# Altium PCB ALCT_MEZ_SPARTAN6T.PcbDoc (part 7 of 12) (continued)
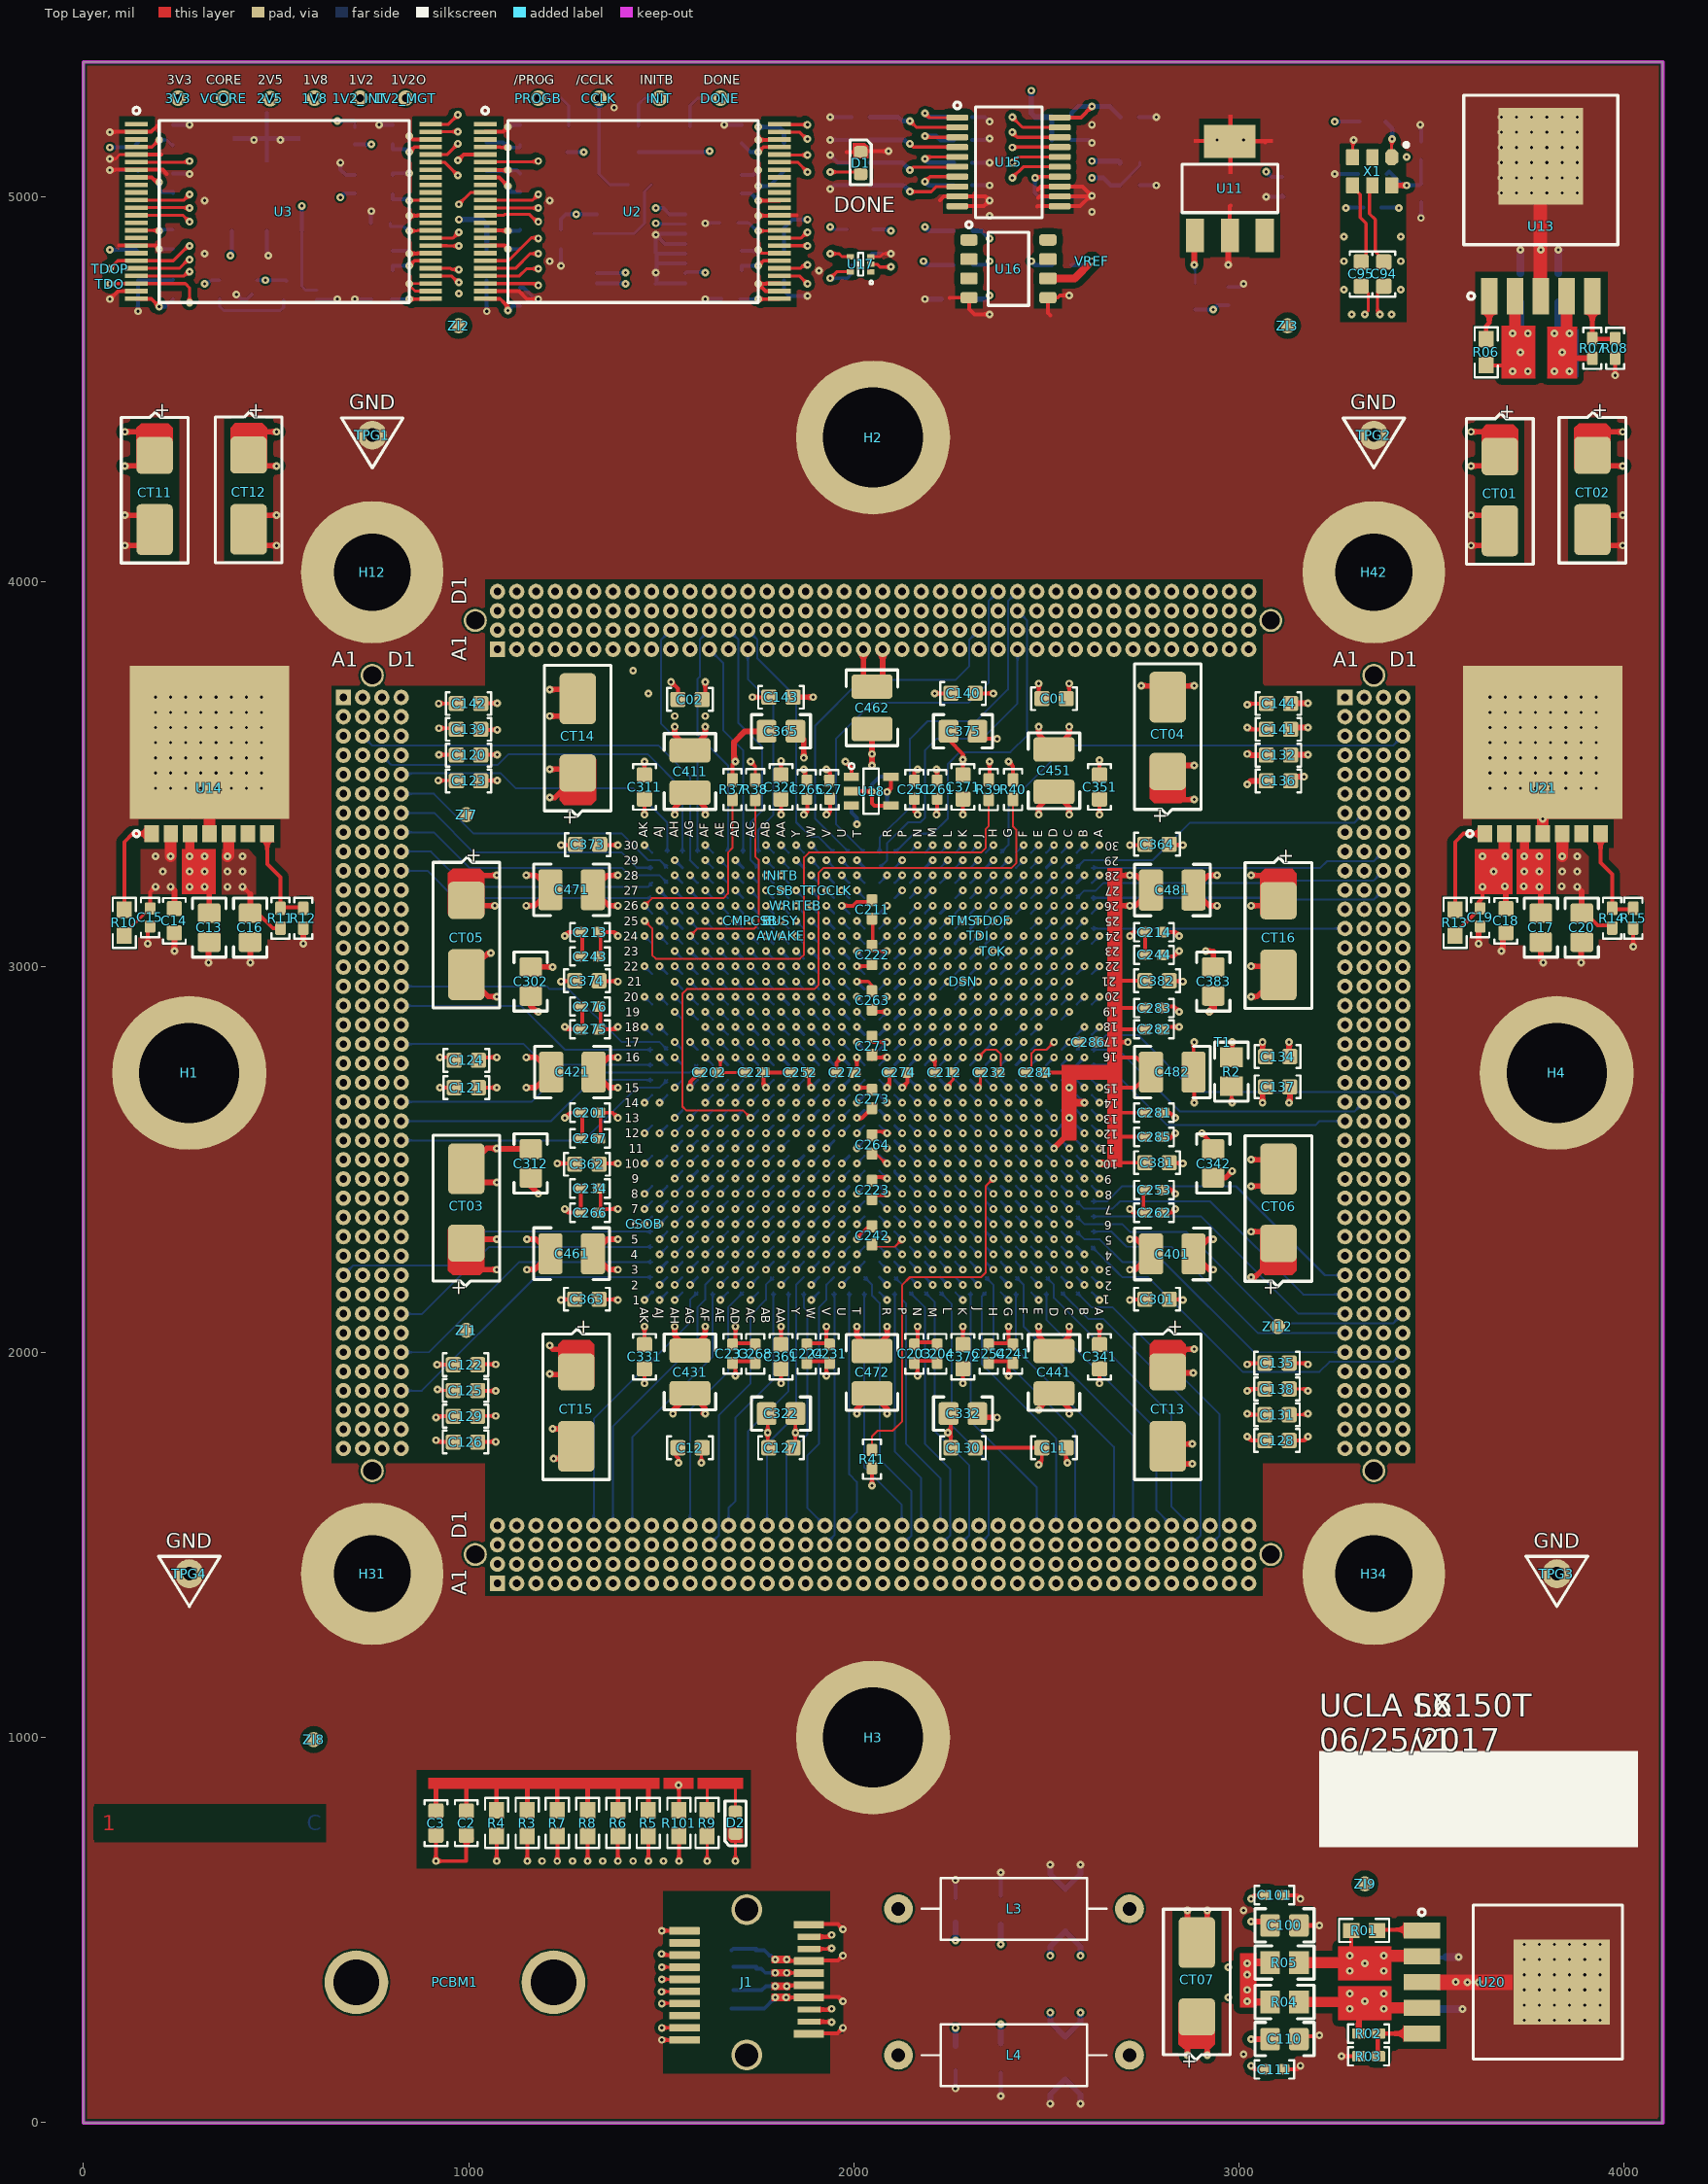
[diagram p0: Top Layer view]
## Nets (pads, with @x,y where several pads share a name; then routed paths per layer and width w, separated by ;. In a path a pad name is that pad's centre, name@x,y a point inside that pad or via, vN(x,y) a via of type N, cw(c..) or ccw(c..) an arc to the next point about the centre after c; other vN are vias at no path point) (continued)
XP2A_15: U1.T24 XP2.A15 | length 1043.6
  Mid-Layer 4 w5: XP2.A15@1775,3825 1775,3786.02 1997.85,3563.18 1997.85,3388.61 1988.19,3378.96 1988.19,3100.74 1988.01,3100.56 v1(2007.88,3080.7) ; 1775,3792.4 ccw(c1742.41,3792.4) 1765.45,3815.45 cw(c1742.41,3792.41) 1775,3792.41 ; 1775,3792.4 cw(c1807.59,3792.4) 1784.55,3815.45 ccw(c1807.59,3792.41) 1775,3792.41 ; 1775,3804.48 ccw(c1754.48,3804.48) 1768.99,3818.99 cw(c1754.48,3804.48) 1775,3804.48 ; 1775,3804.48 cw(c1795.52,3804.48) 1781.01,3818.99 ccw(c1795.52,3804.48) 1775,3804.48
  Bottom Layer w6: v1(2007.88,3080.7) U1.T24@2027.56,3061.01
XP2A_16: U1.AB28 XP2.A16 | length 803.6
  Mid-Layer 1 w5: v1(1771.67,3238.19) 1791.52,3258.04 1791.52,3651.57 1825,3685.05 XP2.A16@1825,3825 ; 1825,3792.4 ccw(c1792.41,3792.4) 1815.45,3815.45 cw(c1792.41,3792.41) 1825,3792.41 ; 1825,3792.4 cw(c1857.59,3792.4) 1834.55,3815.45 ccw(c1857.59,3792.41) 1825,3792.41 ; 1825,3804.48 ccw(c1804.48,3804.48) 1818.99,3818.99 cw(c1804.48,3804.48) 1825,3804.48 ; 1825,3804.48 cw(c1845.52,3804.48) 1831.01,3818.99 ccw(c1845.52,3804.48) 1825,3804.48
  Bottom Layer w6: v1(1771.67,3238.19) U1.AB28@1791.34,3218.5
XP2A_17: U1.L18 XP2.A17 | length 1406.5
  Mid-Layer 4 w5: XP2.A17@1875,3825 2066.93,3633.07 2066.93,3072.82 2078.55,3061.2 2212.44,3061.2 2224.23,3049.41 2224.23,2913.39 2224.22,2864.35 v1(2244.09,2844.48) ; 1889.51,3810.49 ccw(c1875,3795.98) 1875,3816.5 cw(c1875,3795.98) 1889.51,3810.49 ; 1889.51,3810.49 cw(c1904.02,3825) 1883.5,3825 ccw(c1904.02,3825) 1889.51,3810.49 ; 1898.05,3801.95 ccw(c1875,3778.91) 1875,3811.5 cw(c1875,3778.91) 1898.05,3801.96 ; 1898.05,3801.95 cw(c1921.09,3825) 1888.5,3825 ccw(c1921.09,3825) 1898.04,3801.96
  Bottom Layer w6: U1.L18@2224.41,2824.8 v1(2244.09,2844.48)
XP2A_18: U1.V28 XP2.A18 | length 812.4
  Mid-Layer 1 w5: XP2.A18@1925,3825 1925,3639.97 1889.76,3604.73 1889.76,3344.51 1909.63,3324.64 1909.63,3257.7 v1(1929.15,3238.19) ; 1925,3792.4 ccw(c1892.41,3792.4) 1915.45,3815.45 cw(c1892.41,3792.41) 1925,3792.41 ; 1925,3792.4 cw(c1957.59,3792.4) 1934.55,3815.45 ccw(c1957.59,3792.41) 1925,3792.41 ; 1925,3804.48 ccw(c1904.48,3804.48) 1918.99,3818.99 cw(c1904.48,3804.48) 1925,3804.48 ; 1925,3804.48 cw(c1945.52,3804.48) 1931.01,3818.99 ccw(c1945.52,3804.48) 1925,3804.48
  Bottom Layer w6: v1(1929.15,3238.19) U1.V28@1948.82,3218.5
XP2A_19: U1.N25 XP2.A19 | length 1008.4
  Mid-Layer 2 w5: XP2.A19@1965.52,3815.38 cw(c1943.16,3792.72) 1975,3792.72 ; XP2.A19@1965.52,3815.4 cw(c1943.14,3792.72) 1975,3792.72 ; XP2.A19@1969.03,3818.94 cw(c1954.95,3804.67) 1975,3804.67 ; XP2.A19@1969.03,3818.95 cw(c1954.94,3804.68) 1975,3804.68 ; XP2.A19@1975,3825 1975,3792.72 ; XP2.A19@1980.97,3818.94 ccw(c1995.05,3804.67) 1975,3804.67 ; XP2.A19@1980.97,3818.95 ccw(c1995.06,3804.68) 1975,3804.68 ; XP2.A19@1984.48,3815.38 ccw(c2006.84,3792.72) 1975,3792.72 ; XP2.A19@1984.48,3815.4 ccw(c2006.86,3792.72) 1975,3792.72 ; v1(2165.36,3120.06) 2145.85,3139.57 2145.85,3403.75 2184.85,3442.75 2184.85,3582.86 1975,3792.72
  Bottom Layer w6: U1.N25@2145.68,3100.38 v1(2165.36,3120.06)
XP2A_22: U1.M24 XP2.A22 | length 1021
  Mid-Layer 2 w5: XP2.A22@2125,3825 2125,3767.7 2263.78,3628.92 2263.78,3435.04 2234.25,3405.51 2234.25,3375.98 2224.24,3365.97 2224.24,3167.7 2224.36,3167.58 2224.36,3100.33 v1(2204.73,3080.7) ; 2125,3792.4 ccw(c2092.41,3792.4) 2115.45,3815.45 cw(c2092.41,3792.41) 2125,3792.41 ; 2125,3792.4 cw(c2157.59,3792.4) 2134.55,3815.45 ccw(c2157.59,3792.41) 2125,3792.41 ; 2125,3804.48 ccw(c2104.48,3804.48) 2118.99,3818.99 cw(c2104.48,3804.48) 2125,3804.48 ; 2125,3804.48 cw(c2145.52,3804.48) 2131.01,3818.99 ccw(c2145.52,3804.48) 2125,3804.48
  Bottom Layer w6: U1.M24@2185.04,3061.01 v1(2204.73,3080.7)
XP2A_23: U1.P22 XP2.A23 | length 1046.2
  Mid-Layer 5 w5: v1(2125.99,3001.96) 2145.5,3021.47 2145.5,3730.15 2171.15,3755.79 ; 2165.35,3750 2171.15,3755.79 ; XP2.A23@2175,3825 2175,3759.65 2171.15,3755.79 ; 2175,3792.41 cw(c2207.59,3792.41) 2184.55,3815.46 ccw(c2207.59,3792.4) 2175,3792.4 ; 2175,3792.41 ccw(c2142.41,3792.41) 2165.45,3815.46 cw(c2142.41,3792.4) 2175,3792.4 ; 2175,3804.48 cw(c2195.52,3804.48) 2181.01,3818.99 ccw(c2195.52,3804.48) 2175,3804.48 ; 2175,3804.48 ccw(c2154.48,3804.48) 2168.99,3818.99 cw(c2154.48,3804.48) 2175,3804.48
  Bottom Layer w6: U1.P22@2106.3,2982.28 v1(2125.99,3001.96)
XP2A_24: U1.M28 XP2.A24 | length 797.6
  Mid-Layer 5 w5: v1(2204.72,3238.19) 2224.59,3258.06 2224.59,3326.96 2234.25,3336.61 2234.25,3720.47 2225,3729.72 XP2.A24@2225,3825 ; 2225,3792.4 ccw(c2192.41,3792.4) 2215.45,3815.45 cw(c2192.41,3792.41) 2225,3792.41 ; 2225,3792.4 cw(c2257.59,3792.4) 2234.55,3815.45 ccw(c2257.59,3792.41) 2225,3792.41 ; 2225,3804.48 ccw(c2204.48,3804.48) 2218.99,3818.99 cw(c2204.48,3804.48) 2225,3804.48 ; 2225,3804.48 cw(c2245.52,3804.48) 2231.01,3818.99 ccw(c2245.52,3804.48) 2225,3804.48
  Bottom Layer w6: U1.M28@2185.04,3218.5 v1(2204.72,3238.19)
XP2A_29: U1.N24 XP2.A29 | length 1286.7
  Mid-Layer 1 w5: v1(2165.36,3080.7) 2145.86,3100.2 2145.86,3169.1 2136.02,3178.95 2116.39,3178.95 2106.36,3188.98 2106.36,3376.04 2145.67,3415.35 2145.67,3572.83 2210.63,3637.8 2446.85,3637.8 2500,3690.94 2500,3750 2475,3775 XP2.A29@2475,3825 ; 2475,3792.4 ccw(c2442.41,3792.4) 2465.45,3815.45 cw(c2442.41,3792.41) 2475,3792.41 ; 2475,3792.4 cw(c2507.59,3792.4) 2484.55,3815.45 ccw(c2507.59,3792.41) 2475,3792.41 ; 2475,3804.48 ccw(c2454.48,3804.48) 2468.99,3818.99 cw(c2454.48,3804.48) 2475,3804.48 ; 2475,3804.48 cw(c2495.52,3804.48) 2481.01,3818.99 ccw(c2495.52,3804.48) 2475,3804.48
  Bottom Layer w6: U1.N24@2145.68,3061.01 v1(2165.36,3080.7)
XP2A_37: U1.J27 XP2.A37 | length 1190.3
  Mid-Layer 1 w5: v1(2322.84,3198.81) 2342.34,3218.31 2342.34,3454.55 2372.05,3484.25 2608.27,3484.25 2641.92,3517.9 2645.87,3517.9 2657.3,3529.32 2657.3,3533.28 2875,3750.98 XP2.A37@2875,3825 ; 2875,3792.4 ccw(c2842.41,3792.4) 2865.45,3815.45 cw(c2842.41,3792.41) 2875,3792.41 ; 2875,3792.4 cw(c2907.59,3792.4) 2884.55,3815.45 ccw(c2907.59,3792.41) 2875,3792.41 ; 2875,3804.48 ccw(c2854.48,3804.48) 2868.99,3818.99 cw(c2854.48,3804.48) 2875,3804.48 ; 2875,3804.48 cw(c2895.52,3804.48) 2881.01,3818.99 ccw(c2895.52,3804.48) 2875,3804.48
  Bottom Layer w6: U1.J27@2303.15,3179.13 v1(2322.84,3198.81)
XP2A_38: U1.H27 XP2.A38 | length 1208.5
  Mid-Layer 1 w5: v1(2362.21,3198.81) 2381.71,3218.31 2409.28,3218.31 2421.26,3230.3 2421.26,3395.67 2450.79,3425.2 2687.01,3425.2 2925,3663.19 XP2.A38@2925,3825 ; 2925,3792.4 ccw(c2892.41,3792.4) 2915.45,3815.45 cw(c2892.41,3792.41) 2925,3792.41 ; 2925,3792.4 cw(c2957.59,3792.4) 2934.55,3815.45 ccw(c2957.59,3792.41) 2925,3792.41 ; 2925,3804.48 ccw(c2904.48,3804.48) 2918.99,3818.99 cw(c2904.48,3804.48) 2925,3804.48 ; 2925,3804.48 cw(c2945.52,3804.48) 2931.01,3818.99 ccw(c2945.52,3804.48) 2925,3804.48
  Bottom Layer w6: U1.H27@2342.52,3179.13 v1(2362.21,3198.81)
XP2B_3: U1.AE26 XP2.B3 | length 1110
  Mid-Layer 1 w5: XP2.B3@1175,3875 1200,3850 1200,3760.63 1633.68,3326.95 1633.68,3176.79 1651.03,3159.45 v1(1653.56,3159.45) ; 1189.51,3860.49 ccw(c1175,3845.98) 1175,3866.5 cw(c1175,3845.98) 1189.51,3860.49 ; 1189.51,3860.49 cw(c1204.02,3875) 1183.5,3875 ccw(c1204.02,3875) 1189.51,3860.49 ; 1198.05,3851.95 ccw(c1175,3828.91) 1175,3861.5 cw(c1175,3828.91) 1198.04,3851.96 ; 1198.05,3851.95 cw(c1221.09,3875) 1188.5,3875 ccw(c1221.09,3875) 1198.04,3851.96
  Bottom Layer w6: v1(1653.56,3159.45) U1.AE26@1673.23,3139.76
XP2B_4: U1.AA18 XP2.B4 | length 1771.8
  Mid-Layer 4 w5: XP2.B4@1225,3875 1200.5,3850.5 1200.5,3789.37 1190.94,3779.81 1190.94,3090.55 1299.21,2982.28 1742.13,2982.28 1752.16,2972.25 1752.16,2875.77 1763.95,2863.98 1791.53,2863.98 v1(1811.03,2844.48) ; 1201.95,3851.95 ccw(c1178.91,3875) 1211.5,3875 cw(c1178.91,3875) 1201.96,3851.96 ; 1201.95,3851.95 cw(c1225,3828.91) 1225,3861.5 ccw(c1225,3828.91) 1201.96,3851.96 ; 1210.49,3860.49 ccw(c1195.98,3875) 1216.5,3875 cw(c1195.98,3875) 1210.49,3860.49 ; 1210.49,3860.49 cw(c1225,3845.98) 1225,3866.5 ccw(c1225,3845.98) 1210.49,3860.49
  Bottom Layer w6: v1(1811.03,2844.48) U1.AA18@1830.71,2824.8
XP2B_10: U1.AG30 XP2.B10 | length 818.2
  Bottom Layer w5: XP2.B10@1525,3875 1500,3850 1500,3631.87 1594.49,3537.38 U1.AG30@1594.49,3297.24 ; U1.AG30@1589.99,3301.74 ccw(c1579.14,3312.59) 1594.49,3312.59 ccw(c1609.84,3312.59) U1.AG30@1598.98,3301.74 ; 1501.95,3851.95 ccw(c1478.91,3875) 1511.5,3875 cw(c1478.91,3875) 1501.96,3851.96 ; 1501.95,3851.95 cw(c1525,3828.9) 1525,3861.5 ccw(c1525,3828.91) 1501.96,3851.96 ; 1510.49,3860.49 ccw(c1495.98,3875) 1516.5,3875 cw(c1495.98,3875) 1510.49,3860.49 ; 1510.49,3860.49 cw(c1525,3845.98) 1525,3866.5 ccw(c1525,3845.98) 1510.49,3860.49
XP2B_11: U1.AF30 XP2.B11 | length 789.3
  Mid-Layer 7 w5: XP2.B11@1575,3875 1550.5,3850.5 1550.5,3675.88 1564.96,3661.42 1564.96,3366.14 v1(1614.17,3316.93) ; 1551.95,3851.95 ccw(c1528.91,3875) 1561.5,3875 cw(c1528.91,3875) 1551.96,3851.96 ; 1551.95,3851.95 cw(c1575,3828.91) 1575,3861.5 ccw(c1575,3828.91) 1551.96,3851.96 ; 1560.49,3860.49 ccw(c1545.98,3875) 1566.5,3875 cw(c1545.98,3875) 1560.49,3860.49 ; 1560.49,3860.49 cw(c1575,3845.98) 1575,3866.5 ccw(c1575,3845.98) 1560.49,3860.49
  Bottom Layer w5: v1(1614.17,3316.93) U1.AF30@1633.86,3297.24
XP2B_12: U1.AE30 XP2.B12 | length 813.8
  Bottom Layer w5: XP2.B12@1625,3875 1600,3850 1600,3753.56 1594.67,3748.23 1594.67,3602.18 1673.23,3523.62 U1.AE30@1673.23,3297.24 ; U1.AE30@1668.73,3301.74 ccw(c1657.88,3312.59) 1673.23,3312.59 ccw(c1688.58,3312.59) U1.AE30@1677.72,3301.74 ; 1601.95,3851.95 ccw(c1578.91,3875) 1611.5,3875 cw(c1578.91,3875) 1601.96,3851.96 ; 1601.95,3851.95 cw(c1625,3828.9) 1625,3861.5 ccw(c1625,3828.91) 1601.96,3851.96 ; 1610.49,3860.49 ccw(c1595.98,3875) 1616.5,3875 cw(c1595.98,3875) 1610.49,3860.49 ; 1610.49,3860.49 cw(c1625,3845.98) 1625,3866.5 ccw(c1625,3845.98) 1610.49,3860.49
XP2B_13: U1.AC29 XP2.B13 | length 864.8
  Bottom Layer w5: XP2.B13@1675,3875 1676.18,3875 1700,3851.18 ; 1691.49,3859.69 ccw(c1675.06,3843.27) 1675.02,3866.5 cw(c1675.05,3843.27) 1691.48,3859.7 ; U1.AC29@1745.61,3257.87 ccw(c1730.26,3257.87) 1741.11,3268.73 ccw(c1751.97,3279.58) U1.AC29@1751.97,3264.23 ; U1.AC29@1751.97,3257.87 1732.28,3277.56 1732.28,3375.98 1761.81,3405.51 1761.81,3572.83 1700,3634.65 1700,3851.18 ; 1700,3851.18 ccw(c1675.1,3826.28) 1675.03,3861.5 cw(c1675.08,3826.26) 1700,3851.18 ; XP2.B13@1683.5,3875 ccw(c1701.16,3875) 1688.67,3862.51 cw(c1701.18,3875) XP2.B13@1683.5,3875 ; XP2.B13@1688.5,3875 ccw(c1718.23,3875) 1697.21,3853.97 cw(c1718.25,3875) XP2.B13@1688.5,3875
XP2B_14: U1.V30 XP2.B14 | length 873
  Bottom Layer w5: XP2.B14@1725,3875 1750,3850 1750,3801.18 1850.39,3700.79 1850.39,3375.98 1887.81,3338.56 1907.5,3338.56 U1.V30@1948.82,3297.24 ; U1.V30@1942.46,3297.24 ccw(c1927.11,3297.24) 1937.96,3308.1 ccw(c1948.82,3318.95) U1.V30@1948.82,3303.6 ; 1739.51,3860.49 ccw(c1725,3845.98) 1725,3866.5 cw(c1725,3845.98) 1739.51,3860.49 ; 1739.51,3860.49 cw(c1754.02,3875) 1733.5,3875 ccw(c1754.02,3875) 1739.51,3860.49 ; 1748.05,3851.95 ccw(c1725,3828.9) 1725,3861.5 cw(c1725,3828.91) 1748.04,3851.96 ; 1748.05,3851.95 cw(c1771.09,3875) 1738.5,3875 ccw(c1771.09,3875) 1748.04,3851.96
XP2B_15: U1.R21 XP2.B15 | length 1240.7
  Mid-Layer 4 w5: XP2.B15@1775,3875 1800,3850 1800,3815.35 1824.49,3790.86 1832.19,3790.86 2027.74,3595.31 2027.74,3021.47 v1(2086.61,2962.6) ; 1789.51,3860.49 ccw(c1775,3845.98) 1775,3866.5 cw(c1775,3845.98) 1789.51,3860.49 ; 1789.51,3860.49 cw(c1804.02,3875) 1783.5,3875 ccw(c1804.02,3875) 1789.51,3860.49 ; 1798.05,3851.95 ccw(c1775,3828.91) 1775,3861.5 cw(c1775,3828.91) 1798.04,3851.96 ; 1798.05,3851.95 cw(c1821.09,3875) 1788.5,3875 ccw(c1821.09,3875) 1798.04,3851.96
  Bottom Layer w6: U1.R21@2066.93,2942.91 v1(2086.61,2962.6)
XP2B_16: U1.Y27 XP2.B16 | length 897.5
  Mid-Layer 1 w5: XP2.B16@1825,3875 1850.39,3849.61 1850.39,3661.42 1830.89,3641.92 1830.89,3218.31 v1(1850.39,3198.81) ; 1839.51,3860.49 ccw(c1825,3845.98) 1825,3866.5 cw(c1825,3845.98) 1839.51,3860.49 ; 1839.51,3860.49 cw(c1854.02,3875) 1833.5,3875 ccw(c1854.02,3875) 1839.51,3860.49 ; 1848.05,3851.95 ccw(c1825,3828.91) 1825,3861.5 cw(c1825,3828.91) 1848.04,3851.96 ; 1848.05,3851.95 cw(c1871.09,3875) 1838.5,3875 ccw(c1871.09,3875) 1848.04,3851.96
  Bottom Layer w6: v1(1850.39,3198.81) U1.Y27@1870.08,3179.13
XP2B_17: U1.W27 XP2.B17 | length 917.5
  Mid-Layer 1 w5: XP2.B17@1875,3875 1899.5,3850.5 1899.5,3774.31 1875.18,3750 1875.18,3641.73 1850.58,3617.13 1850.58,3344.69 1870.26,3325.01 1870.26,3218.69 1889.78,3199.17 v1(1889.78,3198.81) ; 1889.51,3860.49 ccw(c1875,3845.98) 1875,3866.5 cw(c1875,3845.98) 1889.51,3860.49 ; 1889.51,3860.49 cw(c1904.02,3875) 1883.5,3875 ccw(c1904.02,3875) 1889.51,3860.49 ; 1898.05,3851.95 ccw(c1875,3828.91) 1875,3861.5 cw(c1875,3828.91) 1898.04,3851.96 ; 1898.05,3851.95 cw(c1921.09,3875) 1888.5,3875 ccw(c1921.09,3875) 1898.04,3851.96
  Bottom Layer w6: v1(1889.78,3198.81) U1.W27@1909.45,3179.13
XP2B_18: U1.P24 XP2.B18 | length 1072.2
  Mid-Layer 4 w5: XP2.B18@1925,3875 1950,3850 1950,3807.87 2106.13,3651.75 2106.13,3100.56 v1(2125.99,3080.7) ; 1939.51,3860.49 ccw(c1925,3845.98) 1925,3866.5 cw(c1925,3845.98) 1939.51,3860.49 ; 1939.51,3860.49 cw(c1954.02,3875) 1933.5,3875 ccw(c1954.02,3875) 1939.51,3860.49 ; 1948.05,3851.95 ccw(c1925,3828.91) 1925,3861.5 cw(c1925,3828.91) 1948.04,3851.96 ; 1948.05,3851.95 cw(c1971.09,3875) 1938.5,3875 ccw(c1971.09,3875) 1948.04,3851.96
  Bottom Layer w6: U1.P24@2106.31,3061.01 v1(2125.99,3080.7)
XP2B_19: U1.R22 XP2.B19 | length 1147.6
  Mid-Layer 5 w5: XP2.B19@1975,3875 1999.5,3850.5 1999.5,3792.82 2086.61,3705.71 2086.61,3513.78 2106.11,3494.28 2106.11,3415.17 2065.56,3374.61 2065.56,3023.03 v1(2086.63,3001.96) ; 1989.51,3860.49 ccw(c1975,3845.98) 1975,3866.5 cw(c1975,3845.98) 1989.51,3860.49 ; 1989.51,3860.49 cw(c2004.02,3875) 1983.5,3875 ccw(c2004.02,3875) 1989.51,3860.49 ; 1998.05,3851.95 ccw(c1975,3828.91) 1975,3861.5 cw(c1975,3828.91) 1998.04,3851.96 ; 1998.05,3851.95 cw(c2021.09,3875) 1988.5,3875 ccw(c2021.09,3875) 1998.04,3851.96
  Bottom Layer w6: U1.R22@2066.93,2982.28 v1(2086.63,3001.96)
XP2B_22: U1.R25 XP2.B22 | length 1143.1
  Mid-Layer 1 w5: v1(2086.63,3120.06) 2066.93,3139.76 1958.66,3139.76 1948.82,3149.61 1948.82,3661.42 2100,3812.6 2100,3850 XP2.B22@2125,3875 ; 2101.95,3851.95 ccw(c2078.91,3875) 2111.5,3875 cw(c2078.91,3875) 2101.96,3851.96 ; 2101.95,3851.95 cw(c2125,3828.91) 2125,3861.5 ccw(c2125,3828.91) 2101.96,3851.96 ; 2110.49,3860.49 ccw(c2095.98,3875) 2116.5,3875 cw(c2095.98,3875) 2110.49,3860.49 ; 2110.49,3860.49 cw(c2125,3845.98) 2125,3866.5 ccw(c2125,3845.98) 2110.49,3860.49
  Bottom Layer w6: U1.R25@2066.93,3100.39 v1(2086.63,3120.06)
XP2B_23: U1.M23 XP2.B23 | length 1060.8
  Mid-Layer 5 w5: XP2.B23@2175,3875 2199.5,3850.5 2199.5,3729.83 2175.2,3705.52 2175.2,3541.37 2184.86,3531.7 2184.86,3061.2 v1(2204.73,3041.33) ; 2189.51,3860.49 ccw(c2175,3845.98) 2175,3866.5 cw(c2175,3845.98) 2189.51,3860.49 ; 2189.51,3860.49 cw(c2204.02,3875) 2183.5,3875 ccw(c2204.02,3875) 2189.51,3860.49 ; 2198.05,3851.95 ccw(c2175,3828.91) 2175,3861.5 cw(c2175,3828.91) 2198.04,3851.96 ; 2198.05,3851.95 cw(c2221.09,3875) 2188.5,3875 ccw(c2221.09,3875) 2198.04,3851.96
  Bottom Layer w6: U1.M23@2185.04,3021.65 v1(2204.73,3041.33)
XP2B_24: U1.L28 XP2.B24 | length 855.7
  Mid-Layer 5 w5: XP2.B24@2225,3875 2249.5,3850.5 2249.5,3764.28 2263.78,3750 2263.78,3257.88 v1(2244.09,3238.19) ; 2239.51,3860.49 ccw(c2225,3845.98) 2225,3866.5 cw(c2225,3845.98) 2239.51,3860.49 ; 2239.51,3860.49 cw(c2254.02,3875) 2233.5,3875 ccw(c2254.02,3875) 2239.51,3860.49 ; 2248.05,3851.95 ccw(c2225,3828.91) 2225,3861.5 cw(c2225,3828.91) 2248.04,3851.96 ; 2248.05,3851.95 cw(c2271.09,3875) 2238.5,3875 ccw(c2271.09,3875) 2248.04,3851.96
  Bottom Layer w6: U1.L28@2224.41,3218.5 v1(2244.09,3238.19)
XP2B_37: U1.H28 XP2.B37 | length 1194.2
  Mid-Layer 1 w5: v1(2362.2,3238.19) 2381.89,3257.87 2381.89,3415.35 2421.26,3454.72 2637.8,3454.72 2903.36,3720.29 2903.36,3776.17 2900,3779.53 2900,3850 XP2.B37@2875,3875 ; 2889.51,3860.49 ccw(c2875,3845.98) 2875,3866.5 cw(c2875,3845.98) 2889.51,3860.49 ; 2889.51,3860.49 cw(c2904.02,3875) 2883.5,3875 ccw(c2904.02,3875) 2889.51,3860.49 ; 2898.05,3851.95 ccw(c2875,3828.91) 2875,3861.5 cw(c2875,3828.91) 2898.04,3851.96 ; 2898.05,3851.95 cw(c2921.09,3875) 2888.5,3875 ccw(c2921.09,3875) 2898.04,3851.96
  Bottom Layer w6: U1.H28@2342.52,3218.5 v1(2362.2,3238.19)
XP2B_38: U1.G28 XP2.B38 | length 1317.4
  Mid-Layer 4 w5: v1(2401.57,3238.19) 2421.26,3257.87 2421.26,3326.77 2421.55,3326.77 2460.63,3365.85 2883.56,3365.85 2950.5,3432.78 2950.5,3849.5 XP2.B38@2925,3875 ; 2939.51,3860.49 ccw(c2925,3845.98) 2925,3866.5 cw(c2925,3845.98) 2939.51,3860.49 ; 2939.51,3860.49 cw(c2954.02,3875) 2933.5,3875 ccw(c2954.02,3875) 2939.51,3860.49 ; 2948.05,3851.95 ccw(c2925,3828.91) 2925,3861.5 cw(c2925,3828.91) 2948.04,3851.96 ; 2948.05,3851.95 cw(c2971.09,3875) 2938.5,3875 ccw(c2971.09,3875) 2948.04,3851.96
  Bottom Layer w6: U1.G28@2381.89,3218.5 v1(2401.57,3238.19)
XP2C_3: U1.AG27 XP2.C3 | length 1107.2
  Mid-Layer 1 w5: XP2.C3@1175,3925 1150,3900 1150,3741.73 1554.95,3336.78 1554.95,3218.67 v1(1574.81,3198.81) ; 1151.95,3901.95 ccw(c1128.91,3925) 1161.5,3925 cw(c1128.91,3925) 1151.96,3901.96 ; 1151.95,3901.95 cw(c1175,3878.91) 1175,3911.5 ccw(c1175,3878.91) 1151.96,3901.96 ; 1160.49,3910.49 ccw(c1145.98,3925) 1166.5,3925 cw(c1145.98,3925) 1160.49,3910.49 ; 1160.49,3910.49 cw(c1175,3895.98) 1175,3916.5 ccw(c1175,3895.98) 1160.49,3910.49
  Bottom Layer w6: v1(1574.81,3198.81) U1.AG27@1594.49,3179.13
XP2C_4: U1.AD26 XP2.C4 | length 1333.3
  Mid-Layer 7 w5: XP2.C4@1225,3925 1200.5,3900.5 1200.5,3760.13 1191.13,3750.76 1191.13,3403.19 1415.19,3179.13 1673.24,3179.13 v1(1692.93,3159.45) ; 1201.95,3901.95 ccw(c1178.91,3925) 1211.5,3925 cw(c1178.91,3925) 1201.96,3901.96 ; 1201.95,3901.95 cw(c1225,3878.91) 1225,3911.5 ccw(c1225,3878.91) 1201.96,3901.96 ; 1210.49,3910.49 ccw(c1195.98,3925) 1216.5,3925 cw(c1195.98,3925) 1210.49,3910.49 ; 1210.49,3910.49 cw(c1225,3895.98) 1225,3916.5 ccw(c1225,3895.98) 1210.49,3910.49
  Bottom Layer w6: v1(1692.93,3159.45) U1.AD26@1712.6,3139.76
XP2C_10: U1.AD27 XP2.C10 | length 1197.3
  Mid-Layer 4 w5: XP2.C10@1525,3925 1500,3900 1500,3800 1427.17,3727.16 1427.17,3318.88 1448.8,3297.24 1663.59,3297.24 1673.43,3287.4 1673.43,3218.3 v1(1692.93,3198.81) ; 1501.95,3901.95 ccw(c1478.91,3925) 1511.5,3925 cw(c1478.91,3925) 1501.96,3901.96 ; 1501.95,3901.95 cw(c1525,3878.91) 1525,3911.5 ccw(c1525,3878.91) 1501.96,3901.96 ; 1510.49,3910.49 ccw(c1495.98,3925) 1516.5,3925 cw(c1495.98,3925) 1510.49,3910.49 ; 1510.49,3910.49 cw(c1525,3895.98) 1525,3916.5 ccw(c1525,3895.98) 1510.49,3910.49
  Bottom Layer w6: v1(1692.93,3198.81) U1.AD27@1712.6,3179.13
XP2C_11: U1.AE29 XP2.C11 | length 874.2
  Mid-Layer 7 w5: XP2.C11@1575,3925 1599.5,3900.5 1599.5,3782.41 1633.86,3748.05 1633.86,3385.83 1653.54,3366.14 v1(1653.54,3277.56) ; 1589.51,3910.49 ccw(c1575,3895.98) 1575,3916.5 cw(c1575,3895.98) 1589.51,3910.49 ; 1589.51,3910.49 cw(c1604.02,3925) 1583.5,3925 ccw(c1604.02,3925) 1589.51,3910.49 ; 1598.05,3901.95 ccw(c1575,3878.91) 1575,3911.5 cw(c1575,3878.91) 1598.04,3901.96 ; 1598.05,3901.95 cw(c1621.09,3925) 1588.5,3925 ccw(c1621.09,3925) 1598.04,3901.96
  Bottom Layer w6: v1@1653.86,3277.24 U1.AE29@1673.23,3257.87
XP2C_12: U1.AE27 XP2.C12 | length 948.9
  Mid-Layer 7 w5: XP2.C12@1625,3925 1649.5,3900.5 1649.5,3803.26 1673.07,3779.69 1673.07,3218.32 v1(1653.56,3198.81) ; 1639.51,3910.49 ccw(c1625,3895.98) 1625,3916.5 cw(c1625,3895.98) 1639.51,3910.49 ; 1639.51,3910.49 cw(c1654.02,3925) 1633.5,3925 ccw(c1654.02,3925) 1639.51,3910.49 ; 1648.05,3901.95 ccw(c1625,3878.91) 1625,3911.5 cw(c1625,3878.91) 1648.04,3901.96 ; 1648.05,3901.95 cw(c1671.09,3925) 1638.5,3925 ccw(c1671.09,3925) 1648.04,3901.96
  Bottom Layer w6: v1(1653.56,3198.81) U1.AE27@1673.23,3179.13
XP2C_13: U1.AD28 XP2.C13 | length 910.5
  Mid-Layer 1 w5: XP2.C13@1675,3925 1699.5,3900.5 1699.5,3790.62 1673.41,3764.54 1673.41,3257.71 v1(1692.93,3238.19) ; 1689.51,3910.49 ccw(c1675,3895.98) 1675,3916.5 cw(c1675,3895.98) 1689.51,3910.49 ; 1689.51,3910.49 cw(c1704.02,3925) 1683.5,3925 ccw(c1704.02,3925) 1689.51,3910.49 ; 1698.05,3901.95 ccw(c1675,3878.91) 1675,3911.5 cw(c1675,3878.91) 1698.04,3901.96 ; 1698.05,3901.95 cw(c1721.09,3925) 1688.5,3925 ccw(c1721.09,3925) 1698.04,3901.96
  Bottom Layer w6: v1(1692.93,3238.19) U1.AD28@1712.6,3218.5
XP2C_14: U1.W28 XP2.C14 | length 986.2
  Mid-Layer 4 w5: XP2.C14@1725,3925 1700.5,3900.5 1700.5,3614.46 1909.26,3405.7 1909.26,3257.67 v1(1889.78,3238.19) ; 1701.95,3901.95 ccw(c1678.91,3925) 1711.5,3925 cw(c1678.91,3925) 1701.96,3901.96 ; 1701.95,3901.95 cw(c1725,3878.91) 1725,3911.5 ccw(c1725,3878.91) 1701.96,3901.96 ; 1710.49,3910.49 ccw(c1695.98,3925) 1716.5,3925 cw(c1695.98,3925) 1710.49,3910.49 ; 1710.49,3910.49 cw(c1725,3895.98) 1725,3916.5 ccw(c1725,3895.98) 1710.49,3910.49
  Bottom Layer w6: v1(1889.78,3238.19) U1.W28@1909.45,3218.5
XP2C_15: U1.AC28 XP2.C15 | length 926.4
  Mid-Layer 1 w5: v1(1732.3,3238.19) 1712.78,3257.7 1712.78,3753.41 1750,3790.62 1750,3898.82 ; 1750,3887.8 1750,3898.82 ; XP2.C15@1775,3925 1750,3900 1750,3898.82 ; 1751.95,3901.95 ccw(c1728.91,3925) 1761.5,3925 cw(c1728.91,3925) 1751.96,3901.96 ; 1751.95,3901.95 cw(c1775,3878.91) 1775,3911.5 ccw(c1775,3878.91) 1751.96,3901.96 ; 1760.49,3910.49 ccw(c1745.98,3925) 1766.5,3925 cw(c1745.98,3925) 1760.49,3910.49 ; 1760.49,3910.49 cw(c1775,3895.98) 1775,3916.5 ccw(c1775,3895.98) 1760.49,3910.49
  Bottom Layer w6: v1(1732.3,3238.19) U1.AC28@1751.98,3218.51
XP2C_16: U1.V23 XP2.C16 | length 1206.7
  Mid-Layer 5 w5: XP2.C16@1825,3925 1800.5,3900.5 1800.5,3767.39 1948.82,3619.08 1948.82,3503.94 1988.03,3464.73 1988.03,3072.63 1976.59,3061.2 1949.01,3061.2 v1(1929.14,3041.33) ; 1801.95,3901.95 ccw(c1778.91,3925) 1811.5,3925 cw(c1778.91,3925) 1801.96,3901.96 ; 1801.95,3901.95 cw(c1825,3878.91) 1825,3911.5 ccw(c1825,3878.91) 1801.96,3901.96 ; 1810.49,3910.49 ccw(c1795.98,3925) 1816.5,3925 cw(c1795.98,3925) 1810.49,3910.49 ; 1810.49,3910.49 cw(c1825,3895.98) 1825,3916.5 ccw(c1825,3895.98) 1810.49,3910.49
  Bottom Layer w6: v1(1929.14,3041.33) U1.V23@1948.82,3021.65
XP2C_17: U1.R24 XP2.C17 | length 1170.4
  Mid-Layer 2 w5: XP2.C17@1875,3925 1900,3900 1900,3779.13 2119.74,3559.39 2119.74,3448.48 2066.93,3395.67 2066.93,3100.39 v1(2086.63,3080.7) ; 1889.51,3910.49 ccw(c1875,3895.98) 1875,3916.5 cw(c1875,3895.98) 1889.51,3910.49 ; 1889.51,3910.49 cw(c1904.02,3925) 1883.5,3925 ccw(c1904.02,3925) 1889.51,3910.49 ; 1898.05,3901.95 ccw(c1875,3878.91) 1875,3911.5 cw(c1875,3878.91) 1898.04,3901.96 ; 1898.05,3901.95 cw(c1921.09,3925) 1888.5,3925 ccw(c1921.09,3925) 1898.04,3901.96
  Bottom Layer w6: U1.R24@2066.94,3061.01 v1(2086.63,3080.7)
XP2C_18: U1.P25 XP2.C18 | length 1114.3
  Mid-Layer 2 w5: XP2.C18@1925,3925 1950,3900 1950,3778.35 2144.11,3584.23 2144.11,3433.48 2106.14,3395.51 2106.14,3139.92 v1(2125.99,3120.06) ; 1939.51,3910.49 ccw(c1925,3895.98) 1925,3916.5 cw(c1925,3895.98) 1939.51,3910.49 ; 1939.51,3910.49 cw(c1954.02,3925) 1933.5,3925 ccw(c1954.02,3925) 1939.51,3910.49 ; 1948.05,3901.95 ccw(c1925,3878.91) 1925,3911.5 cw(c1925,3878.91) 1948.04,3901.96 ; 1948.05,3901.95 cw(c1971.09,3925) 1938.5,3925 ccw(c1971.09,3925) 1948.04,3901.96
  Bottom Layer w6: U1.P25@2106.3,3100.39 v1(2125.99,3120.06)
XP2C_19: U1.M19 XP2.C19 | length 1431.8
  Mid-Layer 5 w5: XP2.C19@1975,3925 1950,3900 1950,3778.16 2066.74,3661.42 2066.74,3430.12 2046.56,3409.93 2046.56,2933.76 2076.77,2903.54 2185.01,2903.54 v1(2204.72,2883.84) ; 1951.95,3901.95 ccw(c1928.91,3925) 1961.5,3925 cw(c1928.91,3925) 1951.96,3901.96 ; 1951.95,3901.95 cw(c1975,3878.91) 1975,3911.5 ccw(c1975,3878.91) 1951.96,3901.96 ; 1960.49,3910.49 ccw(c1945.98,3925) 1966.5,3925 cw(c1945.98,3925) 1960.49,3910.49 ; 1960.49,3910.49 cw(c1975,3895.98) 1975,3916.5 ccw(c1975,3895.98) 1960.49,3910.49
  Bottom Layer w6: U1.M19@2185.04,2864.17 v1(2204.72,2883.84)
XP2C_22: U1.M26 XP2.C22 | length 1054.4
  Mid-Layer 2 w5: XP2.C22@2125,3925 2100,3900 2100,3746.46 2234.07,3612.39 2234.07,3444.7 2185.22,3395.85 2185.22,3178.95 v1(2204.73,3159.45) ; 2101.95,3901.95 ccw(c2078.91,3925) 2111.5,3925 cw(c2078.91,3925) 2101.96,3901.96 ; 2101.95,3901.95 cw(c2125,3878.91) 2125,3911.5 ccw(c2125,3878.91) 2101.96,3901.96 ; 2110.49,3910.49 ccw(c2095.98,3925) 2116.5,3925 cw(c2095.98,3925) 2110.49,3910.49 ; 2110.49,3910.49 cw(c2125,3895.98) 2125,3916.5 ccw(c2125,3895.98) 2110.49,3910.49
  Bottom Layer w6: U1.M26@2185.04,3139.76 v1(2204.73,3159.45)
XP2C_23: U1.L30 XP2.C23 | length 904.1
  Mid-Layer 2 w5: XP2.C23@2175,3925 2150.5,3900.5 2150.5,3797.35 2302.96,3644.89 2302.96,3442.75 2263.78,3403.56 2263.78,3364.49 2244.09,3344.81 v1(2244.09,3316.93) ; 2151.95,3901.95 ccw(c2128.91,3925) 2161.5,3925 cw(c2128.91,3925) 2151.96,3901.96 ; 2151.95,3901.95 cw(c2175,3878.91) 2175,3911.5 ccw(c2175,3878.91) 2151.96,3901.96 ; 2160.49,3910.49 ccw(c2145.98,3925) 2166.5,3925 cw(c2145.98,3925) 2160.49,3910.49 ; 2160.49,3910.49 cw(c2175,3895.98) 2175,3916.5 ccw(c2175,3895.98) 2160.49,3910.49
  Bottom Layer w6: U1.L30@2224.41,3297.24 2224.41,3299.08 U1.L30@2224.41,3297.24 v1(2244.09,3316.93)
XP2C_24: U1.L29 XP2.C24 | length 943.7
  Mid-Layer 2 w5: XP2.C24@2225,3925 2200.5,3900.5 2200.5,3803.44 2332.68,3671.26 2332.68,3395.67 2263.78,3326.77 2263.78,3297.24 v1(2244.09,3277.56) ; 2201.95,3901.95 ccw(c2178.91,3925) 2211.5,3925 cw(c2178.91,3925) 2201.96,3901.96 ; 2201.95,3901.95 cw(c2225,3878.91) 2225,3911.5 ccw(c2225,3878.91) 2201.96,3901.96 ; 2210.49,3910.49 ccw(c2195.98,3925) 2216.5,3925 cw(c2195.98,3925) 2210.49,3910.49 ; 2210.49,3910.49 cw(c2225,3895.98) 2225,3916.5 ccw(c2225,3895.98) 2210.49,3910.49
  Bottom Layer w6: U1.L29@2224.41,3257.87 v1(2244.09,3277.56)
XP2C_30: U1.M27 XP2.C30 | length 1253.1
  Mid-Layer 1 w5: v1(2204.73,3198.81) 2224.41,3218.49 2224.41,3336.68 2234.25,3346.52 2234.25,3533.46 2273.62,3572.83 2535.45,3572.83 2580.74,3618.12 2580.74,3759.84 2550,3790.58 2550,3900 XP2.C30@2525,3925 ; 2539.51,3910.49 ccw(c2525,3895.98) 2525,3916.5 cw(c2525,3895.98) 2539.51,3910.49 ; 2539.51,3910.49 cw(c2554.02,3925) 2533.5,3925 ccw(c2554.02,3925) 2539.51,3910.49 ; 2548.05,3901.95 ccw(c2525,3878.91) 2525,3911.5 cw(c2525,3878.91) 2548.04,3901.96 ; 2548.05,3901.95 cw(c2571.09,3925) 2538.5,3925 ccw(c2571.09,3925) 2548.04,3901.96
  Bottom Layer w6: U1.M27@2185.04,3179.13 v1(2204.73,3198.81)
XP2C_37: U1.K27 XP2.C37 | length 1310
  Mid-Layer 1 w5: v1(2283.48,3198.81) 2303.15,3218.48 2303.15,3484.25 2332.68,3513.78 2578.74,3513.78 2850,3785.04 2850,3900 XP2.C37@2875,3925 ; 2851.95,3901.95 ccw(c2828.91,3925) 2861.5,3925 cw(c2828.91,3925) 2851.96,3901.96 ; 2851.95,3901.95 cw(c2875,3878.91) 2875,3911.5 ccw(c2875,3878.91) 2851.96,3901.96 ; 2860.49,3910.49 ccw(c2845.98,3925) 2866.5,3925 cw(c2845.98,3925) 2860.49,3910.49 ; 2860.49,3910.49 cw(c2875,3895.98) 2875,3916.5 ccw(c2875,3895.98) 2860.49,3910.49
  Bottom Layer w6: U1.K27@2263.78,3179.13 v1(2283.48,3198.81)
XP2C_38: U1.L21 XP2.C38 | length 1841.4
  Mid-Layer 2 w5: v1(2244.1,2962.6) 2224.41,2982.28 2224.41,3049.22 2236.21,3061.02 2409.48,3061.02 2421.26,3072.8 2421.26,3167.34 2433.06,3179.13 2488.23,3179.13 2500,3190.91 2500,3543.31 2519.68,3562.99 2913.39,3562.99 2951,3600.61 2951,3774 2950,3775 2950,3900 XP2.C38@2925,3925 ; 2939.51,3910.49 ccw(c2925,3895.98) 2925,3916.5 cw(c2925,3895.98) 2939.51,3910.49 ; 2939.51,3910.49 cw(c2954.02,3925) 2933.5,3925 ccw(c2954.02,3925) 2939.51,3910.49 ; 2948.05,3901.95 ccw(c2925,3878.91) 2925,3911.5 cw(c2925,3878.91) 2948.04,3901.96 ; 2948.05,3901.95 cw(c2971.09,3925) 2938.5,3925 ccw(c2971.09,3925) 2948.04,3901.96
  Bottom Layer w6: U1.L21@2224.41,2942.91 v1(2244.1,2962.6)